# Allegro board FEE5_10_30.brd (continued)
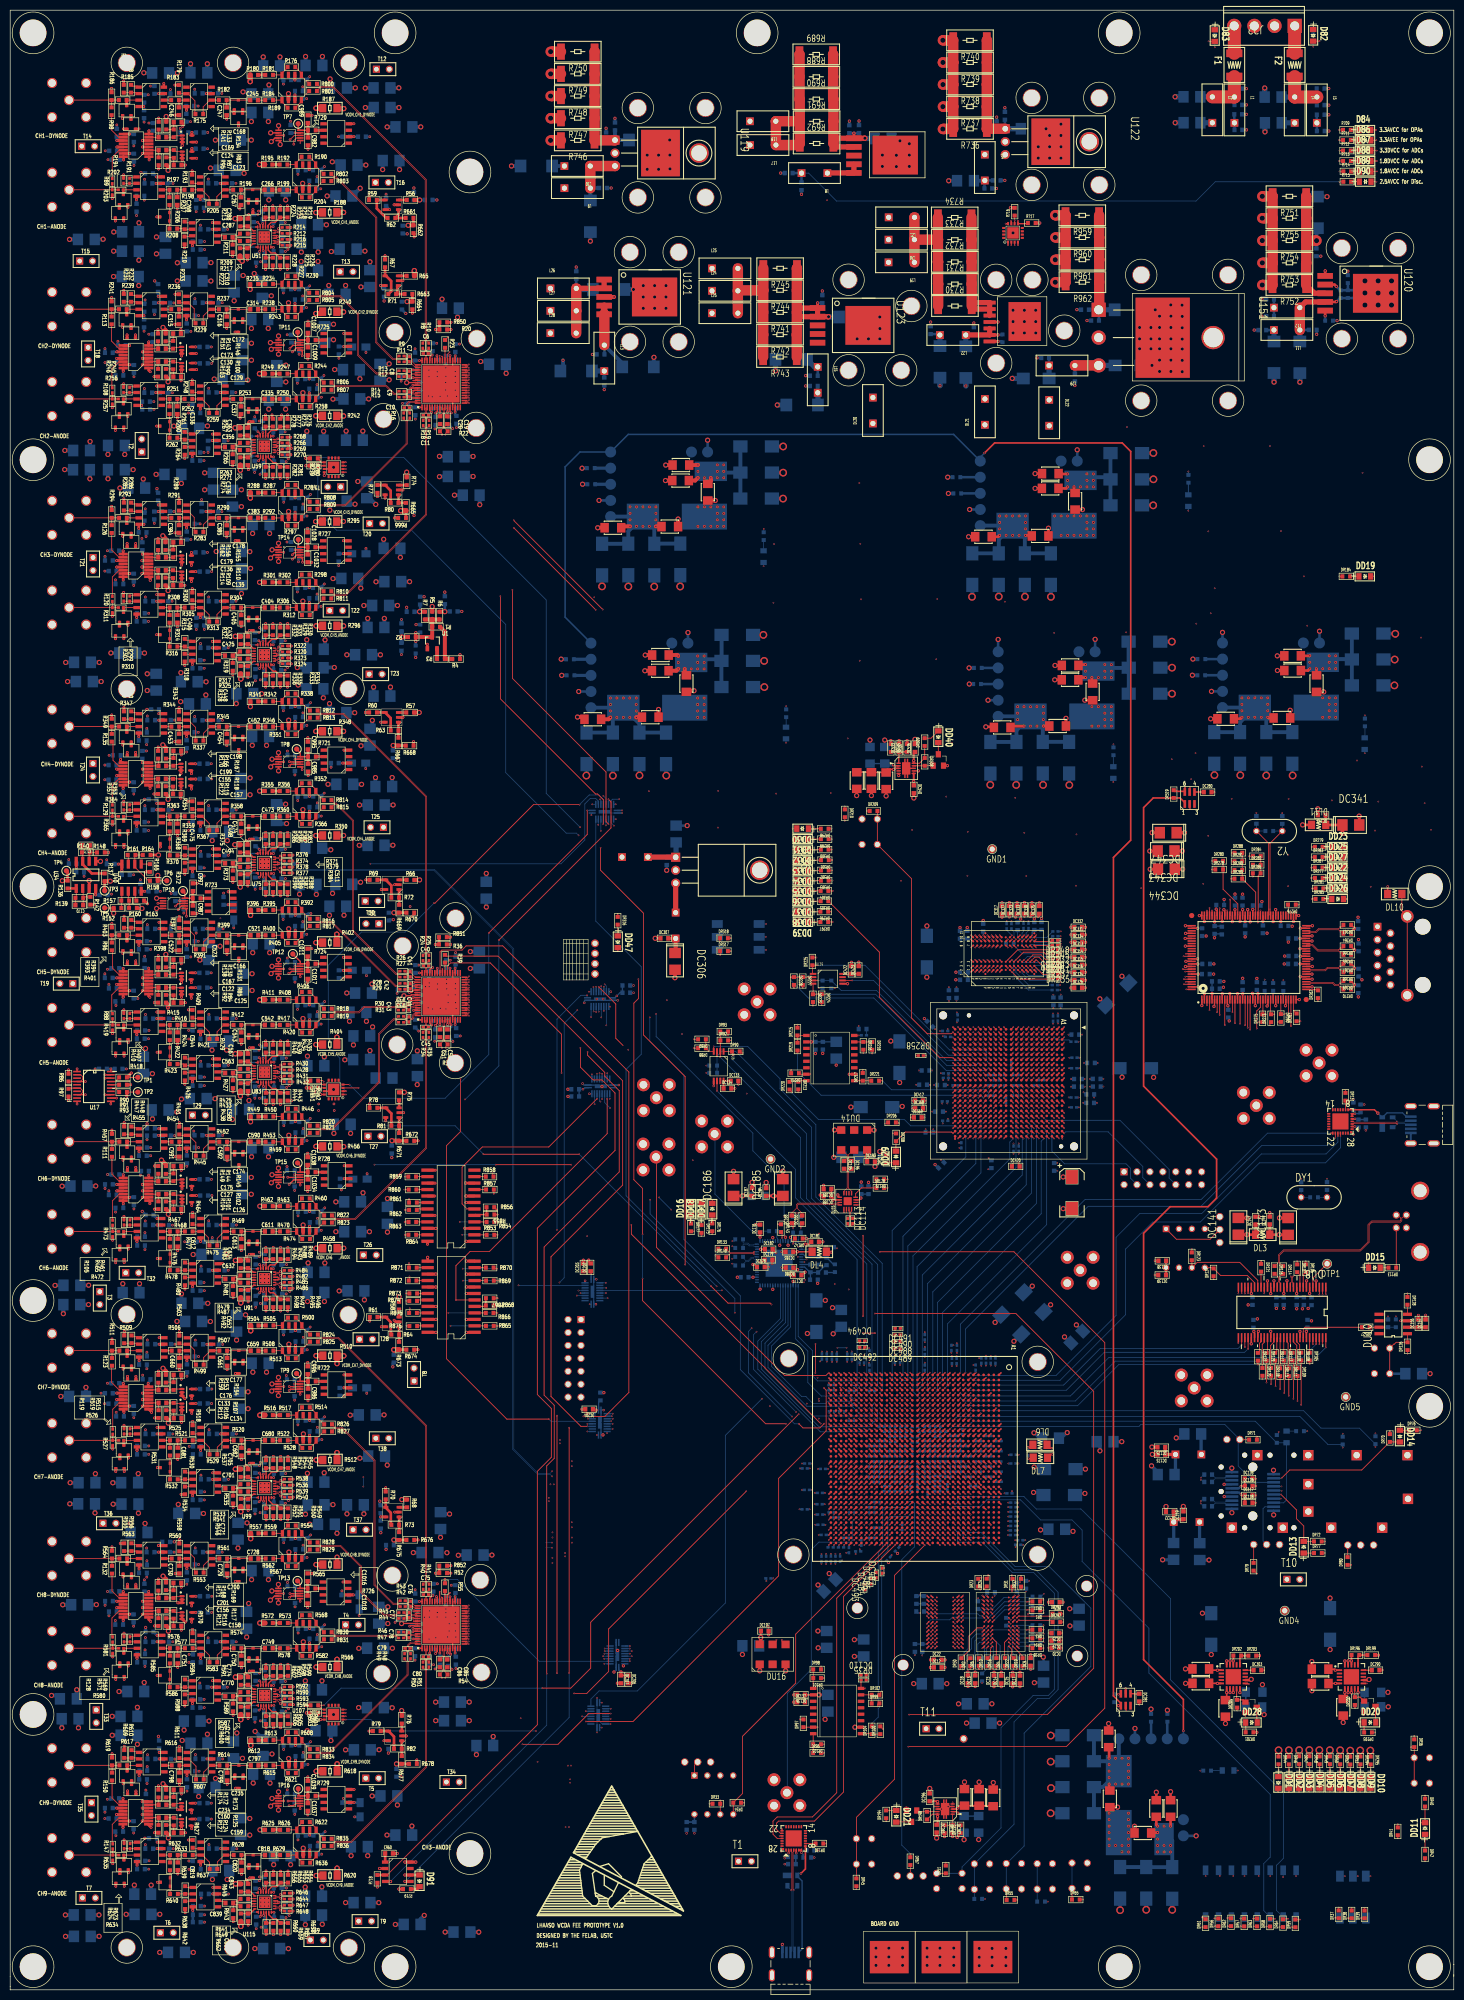
[diagram p0: board, top side]
## Routing (per net, layer and track width the routed paths; a pad name or vN(x,y) marks a point on that pad's centre or on a via; arc(x,y) is an arc through that point) (continued)
  TOP w0.254: U131.1 28.86,214.34 28.85,214.33 v5(28.76,214.33)
  TOP w0.508: v5(15.51,217.79) 15.52,217.79 U34.3 ; U34.5 17.43,221.6 17.44,221.59 v5(17.74,221.59)
  S5 w0.762: v5(28.76,214.33) 18.98,214.33 v5(15.51,217.79) 17.74,220.02 v5(17.74,221.59)
CALIB_VREF_DYNODE: length 19.3
  TOP w0.254: U131.5 v5(28.76,212.34)
  TOP w0.508: v5(25.89,212.34) 24.98,212.34 R160.1 ; R164.2 v5(29.14,222.84)
  S1 w0.762: v5(28.76,212.34) 29.58,212.34 30.73,213.48 30.73,221.32 29.2,222.84 v5(29.14,222.84)
  S5 w0.762: v5(28.76,212.34) v5(25.89,212.34)
CALIBPULSE_ANODE_CH1: length 10.8
  TOP w0.152: R203.1 R89.2 ; R203.1 11.59,353.46 J5.1 ; R203.1 21.21,353.46 R202.1
CALIBPULSE_ANODE_CH2: length 10.8
  TOP w0.152: R257.1 20.05,313.57 R108.2 ; R257.1 21.22,312.39 R256.1 ; R257.1 11.59,312.39 J7.1
CALIBPULSE_ANODE_CH3: length 10.9
  TOP w0.152: R310.1 21.24,271.42 R311.1 ; R311.1 20.07,272.61 R120.2 ; R311.1 11.58,271.42 J9.1
CALIBPULSE_ANODE_CH4: length 10.9
  TOP w0.152: R364.1 21.25,230.44 R365.1 ; R365.1 11.59,230.44 J11.1 ; R365.1 20.08,231.63 R129.2
CALIBPULSE_ANODE_CH5: length 10.9
  TOP w0.152: R88.2 20.1,190.67 R419.1 ; R418.1 21.27,189.47 R419.1 ; J13.1 11.6,189.47 R419.1
CALIBPULSE_ANODE_CH6: length 10.9
  TOP w0.152: R473.1 20.12,150.11 R105.2 ; R473.1 21.29,148.92 R472.1 ; R473.1 11.58,148.92 J15.1
CALIBPULSE_ANODE_CH7: length 10.9
  TOP w0.152: R526.1 21.3,107.9 R527.1 ; J17.1 11.6,107.9 R527.1 ; R527.1 20.14,109.08 R119.2
CALIBPULSE_ANODE_CH8: length 10.9
  TOP w0.152: R581.1 11.58,67.08 J19.1 ; R581.1 21.3,67.08 R580.1 ; R581.1 20.13,68.26 R128.2
CALIBPULSE_ANODE_CH9: length 10.9
  TOP w0.152: R635.1 11.6,26.46 J21.1 ; R635.1 21.31,26.46 R634.1 ; R635.1 20.15,27.65 R147.2
CALIBPULSE_DYNODE_CH1: length 11.3
  TOP w0.152: 19.89,371.1 R186.1 ; R186.1 21.36,371.08 R185.1 ; R186.1 R98.2 ; R186.1 11.58,371.08 J4.1
CALIBPULSE_DYNODE_CH2: length 11.2
  TOP w0.152: R239.1 21.37,330.01 R241.1 ; R241.1 11.6,330.01 J6.1 ; R241.1 R113.2
CALIBPULSE_DYNODE_CH3: length 11.2
  TOP w0.152: J8.1 11.6,289.04 R294.1 ; R294.1 R126.2 ; R294.1 21.39,289.04 R293.1
CALIBPULSE_DYNODE_CH4: length 11.3
  TOP w0.152: R349.1 21.4,248.06 R347.1 ; R349.1 R135.2 ; R349.1 11.58,248.06 J10.1
CALIBPULSE_DYNODE_CH5: length 11.3
  TOP w0.152: R403.1 11.6,207.09 J12.1 ; R403.1 21.42,207.09 R401.1 ; R403.1 R96.2
CALIBPULSE_DYNODE_CH6: length 11.3
  TOP w0.152: R455.1 21.44,166.54 R457.1 ; R111.2 R457.1 ; R457.1 J14.1
CALIBPULSE_DYNODE_CH7: length 11.3
  TOP w0.152: R511.1 21.45,125.51 R509.1 ; R511.1 R123.2 ; R511.1 11.57,125.51 J16.1
CALIBPULSE_DYNODE_CH8: length 11.3
  TOP w0.152: J18.1 11.58,84.69 R564.1 ; R564.1 21.44,84.69 R563.1 ; R564.1 R132.2
CALIBPULSE_DYNODE_CH9: length 11.3
  TOP w0.152: J20.1 11.59,44.08 R619.1 ; R619.1 R150.2 ; R619.1 21.46,44.08 R617.1
CLK125_N: length 5.3
  TOP w0.102: DU15.9 165.28,156.82 164.63,157.46 164.63,160.62 DC196.2
CLK125_P: length 5.3
  TOP w0.102: DU15.12 163.78,156.82 164.42,157.47 164.42,160.62 DC195.2
CLK_125M_N: length 3
  TOP w0.102: DU14.5 165.59,164.91 164.63,163.96 164.63,163.36 DC196.1
CLK_125M_P: length 3
  TOP w0.102: DU14.4 163.46,164.91 164.42,163.96 164.42,163.36 DC195.1
CP: length 7.4
  BOTTOM w0.254: DU13.5 155.8,144.42 156.29,143.93 DR173.1 160.24,143.93 DC171.2 161.72,142.46 DR174.2
CPU_RESET: length 71.6
  TOP w0.152: DR45.1 166.23,21.87 DSW3.1 DSW3.2 166.23,33.86 173.72,41.35 173.72,81.39 v1(179.65,87.32) DU4.T34
CSB_ADC1: length 187.6
  TOP w0.152: v9(84.81,320.76) 84.81,320.76 84.91,320.65 U2.40
  S5 w0.152: v1(117.84,173.17) 116.77,174.24 116.77,175.54 110.49,181.82 110.49,314.13 95.23,329.39 86.77,329.39 84.81,327.42 v9(84.81,320.76)
  BOTTOM w0.152: DU17.14 116.78,174.23 v1(117.84,173.17)
CSB_ADC1_BUF: length 117.1
  TOP w0.152: DU4.W24 v1(175.79,97.32)
  S2 w0.152: v1(116.28,179.88) 116.89,179.26 116.89,174.21 117.3,173.8 117.3,149.77 160.51,106.57 160.95,106.57 161.17,106.34 161.17,105.9 161.46,105.61 175.13,105.61 175.29,105.46 175.29,97.83 v1(175.79,97.32)
  BOTTOM w0.152: DU17.6 v1(116.28,179.88)
CSB_ADC2: length 115.7
  TOP w0.152: v1(88.46,178.9) 88.47,178.89 88.47,168.53 85.7,165.75 85.7,123.93 97.56,112.06 105.81,112.06 v1(105.81,112.06)
  TOP w0.254: U3.40 v9(84.91,200.5)
  S2 w0.152: v9(84.91,200.5) 84.91,194.11 90.79,188.22 90.79,181.24 v1(88.46,178.9)
  BOTTOM w0.152: v1(105.81,112.06) 106.24,111.64 DU20.16
CSB_ADC2_BUF: length 72.7
  TOP w0.152: DU4.Y28 v1(174.79,93.32)
  S5 w0.152: v1(174.79,93.32) 174.24,93.88 174.24,105.44 174.06,105.62 152.67,105.62 148.72,109.56 120.94,109.56 v1(118.36,112.14)
  BOTTOM w0.152: DU20.4 v1(118.36,112.14)
CSB_ADC3: length 40.3
  TOP w0.254: U4.40 84.91,76.93 v9(84.76,77.07)
  S5 w0.152: v1(116.46,65.51) 102.31,65.51 89.41,78.41 85.33,78.41 84.76,77.84 v9(84.76,77.07)
  BOTTOM w0.152: v1(116.46,65.51) 117.84,65.51 DU24.5
CSB_ADC3_BUF: length 67.1
  TOP w0.152: DU4.W31 v1(175.79,90.32)
  S5 w0.152: 175.75,90.32 v1(175.79,90.32) 175.38,89.92 175.38,89.02 175.23,88.86 173.56,88.86 173.33,88.63 173.33,87.27 159.31,73.25 129.65,73.25 122.41,66.01 v1(121.74,66.01)
  BOTTOM w0.152: DU24.15 v1(121.74,66.01)
DIN_DAC1: length 268.9
  TOP w0.152: v1(77.85,130.39) 78.37,130.39 R876.2 ; U128.8 56.97,364.11 55.79,364.11 v3(54.97,363.3)
  S1 w0.152: v3(54.97,363.3) 54.97,362.45 41.05,348.53 41.05,323.62 42.07,322.6 42.07,294.61 42.71,293.98 42.71,287.01 41.84,286.14 41.84,253.44 41.23,252.83 41.23,240.22 42.13,239.31 42.13,230.08 41.3,229.24 v1(41.3,210.41)
  S4 w0.152: v1(41.3,210.41) 41.3,207.52 42.01,206.81 42.01,196.87 40.71,195.56 40.71,178.23 41.14,177.79 41.14,151.75 46.2,146.69 61.56,146.69 v1(77.85,130.39)
DIN_DAC2: length 216.9
  TOP w0.152: v1(78.48,133.83) 78.48,133.02 R875.2
  TOP w0.254: v3(54.94,322.31) 55.54,322.91 56.94,322.91 56.99,322.96 U136.8
  S5 w0.152: v3(54.94,322.31) 58.5,322.31 62.2,318.61 62.2,311.09 80.41,292.88 80.41,272.39 81.96,270.84 83.7,270.84 84.28,271.42 86.21,271.42 90.07,267.55 90.07,207.62 89.65,207.2 89.65,190.7 90.07,190.28 90.07,181.18 81.08,172.18 81.08,136.46 78.48,133.86 v1(78.48,133.83)
DIN_DAC3: length 190
  TOP w0.152: v1(77.81,135.3) 78.37,135.3 R874.2
  TOP w0.254: U142.8 56.95,282.23 55.85,282.23 55.42,281.8 v3(55.42,281.78)
  S4 w0.152: v1(77.81,135.3) 79.33,135.3 87.29,143.26 87.29,161.81 90.58,165.1 90.58,187.36 89.53,188.4 89.53,207.42 91.12,209.02 91.12,234.82 67.32,258.62 48.78,258.62 45.53,261.87 45.53,266.62 54.13,275.22 54.13,280.48 v3(55.42,281.78)
DIN_DAC4: length 133.1
  TOP w0.152: R873.2 77.75,136.74 v1(77.74,136.75)
  TOP w0.254: U129.8 56.95,241.11 54.9,241.11 54.87,241.14 54.85,241.14 v3(54.82,241.17)
  S4 w0.152: v1(77.74,136.75) 84.2,143.21 84.2,181.9 74.68,191.42 74.68,197.79 82.08,205.18 82.08,222.14 63.05,241.16 54.83,241.16 v3(54.82,241.17)
DIN_DAC5: length 74.8
  TOP w0.152: R872.2 78.44,139.42 v1(78.44,140.08)
  TOP w0.254: U137.8 56.93,200.43 55.76,200.43 54.98,200.44 v3(54.93,200.48)
  S4 w0.152: v1(78.44,140.08) 78.92,140.57 78.92,177.87 68.33,188.46 66.12,188.46 55.46,199.11 55.46,199.95 v3(54.93,200.48)
DIN_DAC6: length 34.2
  TOP w0.152: R871.2 v1(78.34,142.7)
  TOP w0.254: v3(54.52,159.56) 54.56,159.52 56.94,159.52 U143.8
  S1 w0.152: v3(54.52,159.56) 61.48,159.56 v1(78.34,142.7)
DIN_DAC7: length 54
  TOP w0.152: v1(95.62,141.61) 95.17,141.61 R870.1
  TOP w0.254: v3(54.83,118.46) 54.86,118.43 56.93,118.43 U130.8
  S4 w0.152: v3(54.83,118.46) 54.83,118.63 59.89,123.7 72.1,123.7 79.23,130.83 79.23,131.93 v1(88.9,141.61)
  BOTTOM w0.152: v1(88.9,141.61) v1(95.62,141.61)
DIN_DAC8: length 86.4
  TOP w0.152: R869.1 v1(95.81,139.26)
  TOP w0.254: v3(54.95,77.81) 54.96,77.79 55.73,77.79 56.17,77.79 56.17,77.79 56.94,77.79 U138.8
  S2 w0.152: v3(54.95,77.81) 56.57,77.81 62.72,83.96 62.72,92.18 69.36,98.82 v1(69.38,98.82) ; v1(88.94,139.26) 88.94,132.06 88.76,131.87 88.76,131.43 88.94,131.24 88.94,120.23 v1(69.38,100.67)
  BOTTOM w0.152: v1(69.38,100.67) v1(69.38,98.82) ; v1(95.81,139.26) v1(88.94,139.26)
DIN_DAC9: length 126.8
  TOP w0.152: R866.1 v1(95.72,132.92)
  TOP w0.254: v3(54.58,37.07) 56.95,37.07 U144.8
  S4 w0.152: v3(54.58,37.07) 56.77,39.26 56.77,64.21 54.32,66.66 54.32,78.33 53.6,79.05 53.6,82.31 52.3,83.61 52.3,101.5 83.72,132.92 86.08,132.92 v1(86.08,132.92)
  BOTTOM w0.152: v1(95.72,132.92) v1(86.08,132.92)
DIN_DAC_BUF: length 58.7
  TOP w0.152: U149.6 87.57,135.46 v1(87.56,135.47) 87.56,142.2 90.34,144.98 94.13,144.98 117.27,168.12 v1(117.27,174.97)
  BOTTOM w0.152: DU17.13 117.28,174.98 v1(117.27,174.97)
DIN_DAC_BUF_A7_FPGA: length 0.6
  TOP w0.152: DU4.W25 v1(175.79,96.32)
DIN_DAC_CALIB: length 121.2
  TOP w0.152: R865.1 v1(95.76,130.37)
  TOP w0.254: v3(32.48,212.8) 32.98,213.3 34.26,213.3 U131.8
  S1 w0.152: v3(32.48,212.8) 32.48,209.82 32.99,209.3 32.99,192.82 47.31,178.5 47.31,177.76 50.95,174.12 50.95,173.42 61.07,163.3 68.45,163.3 85.29,146.47 85.29,131.59 v1(86.49,130.38)
  BOTTOM w0.152: v1(86.49,130.38) 86.5,130.37 v1(95.76,130.37)
DMINUS: length 33
  TOP w0.102: DR116.1 248.48,142.12 249.1,142.74 249.1,144.27 250.13,145.3 265.16,145.3 266.73,146.87 266.73,150.25 267.44,150.96 273.05,150.96 273.16,151.08 273.16,151.55 272.59,152.13 DJ8.2
DPLUS: length 33
  TOP w0.102: DR114.1 249.93,142.11 249.32,142.72 249.32,144.18 250.22,145.08 265.25,145.08 266.94,146.78 266.94,150.16 267.53,150.75 273.14,150.75 273.38,150.99 273.38,151.56 273.95,152.13 DJ8.3
GMII_MDC: length 60.9
  TOP w0.152: DU4.T5 v1(179.65,117.19) ; v1(197.06,169.18) DU37.L20
  S2 w0.152: v1(197.06,169.18) 197.59,168.64 197.59,150.45 180.15,133 180.15,117.68 v1(179.65,117.19)
GMII_MDIO_I: length 58
  TOP w0.152: v1(200.06,167.18) DU37.H22 ; DU4.R3 v1(180.65,119.19)
  S5 w0.152: v1(180.65,119.19) 181.08,119.61 182.03,119.61 182.18,119.76 182.18,129.7 200.32,147.83 200.32,166.92 v1(200.06,167.18)
GMII_MDIO_O: length 63.6
  TOP w0.152: DU4.T4 v1(179.65,118.19) ; v1(200.06,171.18) DU37.H18
  S4 w0.152: v1(179.65,118.19) 179.2,118.64 179.2,134.99 198.56,154.35 198.56,170.57 198.76,170.77 199.66,170.77 v1(200.06,171.18)
GMII_MDIO_T: length 60.6
  TOP w0.152: v1(200.06,168.18) DU37.H21 ; DU4.R5 v1(180.65,117.19)
  BOTTOM w0.152: v1(200.06,168.18) 199.59,167.71 199.59,158.07 180.2,138.67 180.2,117.64 v1(180.65,117.19)
GMII_RX_CLK: length 58
  TOP w0.152: v1(198.06,168.18) DU37.K21 ; DU4.N4 v1(182.65,118.19)
  S2 w0.152: v1(198.06,168.18) 198.5,167.73 198.5,148.47 183.2,133.17 183.2,118.74 v1(182.65,118.19)
GMII_RX_COL: length 60.9
  TOP w0.152: v1(197.06,167.18) DU37.L22 ; DU4.U6 v1(178.65,116.19)
  BOTTOM w0.152: v1(178.65,116.19) 177.34,117.5 177.34,144.11 196.37,163.14 196.37,166.48 v1(197.06,167.18)
GMII_RX_CRS: length 63
  TOP w0.152: v1(201.06,169.18) DU37.G20 ; DU4.P6 v1(181.65,116.19)
  S4 w0.152: v1(181.65,116.19) 181.12,116.72 181.12,130.1 201.44,150.43 201.44,168.79 v1(201.06,169.18)
GMII_RX_DV: length 64.3
  TOP w0.152: DU4.U7 v1(178.65,115.19) ; v1(197.06,170.18) DU37.L19
  S5 w0.152: 196.97,170.18 v1(197.06,170.18) 196.62,169.74 196.62,152.93 178.16,134.46 178.16,115.68 v1(178.65,115.19)
GMII_RX_ER: length 60.2
  TOP w0.152: DU4.N6 v1(182.65,116.19) ; v1(201.06,167.18) DU37.G22
  S5 w0.152: v1(182.65,116.19) 183.2,116.73 183.2,128.42 201.47,146.69 201.47,166.77 v1(201.06,167.18)
GMII_RXD0: length 60.2
  TOP w0.152: DU4.R2 v1(180.65,120.19) ; v1(198.06,170.18) DU37.K19
  S5 w0.152: v1(198.06,170.18) 198.46,169.78 199.41,169.78 199.56,169.62 199.56,148.99 181.19,130.62 181.19,120.72 v1(180.65,120.19)
GMII_RXD1: length 63.3
  TOP w0.152: DU4.U2 v1(178.65,120.19) ; DU37.K16 v1(198.06,173.18)
  S4 w0.152: v1(198.06,173.18) 197.6,172.72 196.74,172.72 196.52,172.5 196.52,156.52 178.04,138.04 178.04,120.8 v1(178.65,120.19)
GMII_RXD2: length 59.2
  TOP w0.152: DU4.U1 v1(178.65,121.19) ; v1(198.06,171.18) DU37.K18
  S4 w0.152: v1(198.06,171.18) 197.58,170.69 197.58,155.42 178.65,136.5 v1(178.65,121.19)
GMII_RXD3: length 59.3
  TOP w0.152: DU4.T3 v1(179.65,119.19) ; v1(198.06,169.18) DU37.K20
  S5 w0.152: v1(198.06,169.18) 198.59,168.64 198.59,150.33 180.2,131.95 180.2,119.74 v1(179.65,119.19)
GMII_RXD4: length 61.2
  TOP w0.152: DU37.K17 v1(198.06,172.18) ; DU4.T2 v1(179.65,120.19)
  S5 w0.152: v1(179.65,120.19) 179.19,120.65 179.19,133.24 197.59,151.64 197.59,171.7 v1(198.06,172.18)
GMII_RXD5: length 64.7
  TOP w0.152: v1(197.06,172.18) DU37.L17 ; DU4.U5 v1(178.65,117.19)
  BOTTOM w0.152: v1(178.65,117.19) 178.15,117.69 178.15,142 197.58,161.43 197.58,171.65 v1(197.06,172.18)
GMII_RXD6: length 58.7
  TOP w0.152: v1(199.06,167.18) DU37.J22 ; DU4.U4 v1(178.65,118.19)
  BOTTOM w0.152: v1(199.06,167.18) 198.81,166.93 198.81,160 179.18,140.37 179.18,118.71 v1(178.65,118.19)
GMII_RXD7: length 63.3
  TOP w0.152: DU4.M6 v1(183.65,116.19) ; v1(202.06,170.18) DU37.F19
  S5 w0.152: v1(183.65,116.19) 184.15,116.68 184.15,126.81 202.67,145.33 202.67,169.56 v1(202.06,170.18)
GMII_TX_CLK: length 62.7
  TOP w0.152: DU4.P5 v1(181.65,117.19) ; v1(201.06,170.18) DU37.G19
  BOTTOM w0.152: v1(181.65,117.19) 182.16,117.69 182.16,134.99 201.6,154.42 201.6,169.64 v1(201.06,170.18)
GMII_TX_EN: length 57.1
  TOP w0.152: DU4.M1 v1(183.65,121.19) ; v1(204.06,168.18) DU37.D21
  S3 w0.152: v1(204.06,168.18) 204.57,167.66 204.57,156.95 183.65,136.03 v1(183.65,121.19)
GMII_TX_ER: length 59
  TOP w0.152: v1(202.06,169.18) DU37.F20 ; DU4.N1 v1(182.65,121.19)
  S4 w0.152: v1(182.65,121.19) 182.65,127.21 203.54,148.1 203.54,168.52 203.34,168.72 202.51,168.72 v1(202.06,169.18)
GMII_TXD0: length 61.1
  TOP w0.152: DU4.M5 v1(183.65,117.19) ; v1(205.06,167.18) DU37.C22
  S4 w0.152: v1(183.65,117.19) 184.07,117.6 185.9,117.6 186.11,117.82 186.11,121.39 205.06,140.34 v1(205.06,167.18)
GMII_TXD1: length 60.7
  TOP w0.152: DU4.M4 v1(183.65,118.19) ; v1(203.06,169.18) DU37.E20
  BOTTOM w0.152: v1(203.06,169.18) 203.61,168.63 203.61,150.25 184.14,130.78 184.14,118.67 v1(183.65,118.19)
GMII_TXD2: length 57.7
  TOP w0.152: DU4.R1 v1(180.65,121.19) ; v1(200.06,169.18) DU37.H20
  S4 w0.152: v1(200.06,169.18) 200.55,168.69 200.55,151.9 180.65,132.01 v1(180.65,121.19)
GMII_TXD3: length 57
  TOP w0.152: DU4.P1 v1(181.65,121.19) ; v1(202.06,168.18) DU37.F21
  S4 w0.152: v1(181.65,121.19) 181.65,128.49 202.5,149.33 202.5,167.73 v1(202.06,168.18)
GMII_TXD4: length 57.7
  TOP w0.152: v1(203.06,167.18) DU37.E22 ; DU4.N3 v1(182.65,119.19)
  BOTTOM w0.152: v1(182.65,119.19) 183.11,119.65 183.11,132.97 202.54,152.39 202.54,166.65 v1(203.06,167.18)
GMII_TXD5: length 57.1
  TOP w0.152: DU4.N2 v1(182.65,120.19) ; v1(204.06,167.18) DU37.D22
  S4 w0.152: v1(204.06,167.18) 204.06,146.54 183.17,125.65 183.17,120.7 v1(182.65,120.19)
GMII_TXD6: length 60.6
  TOP w0.152: DU37.F22 v1(202.06,167.18) ; DU4.P4 v1(181.65,118.19)
  S2 w0.152: v1(202.06,167.18) 202.06,149.63 184.17,131.74 184.17,117.93 183.98,117.74 182.09,117.74 v1(181.65,118.19)
GMII_TXD7: length 60.7
  TOP w0.152: DU4.P3 v1(181.65,119.19) ; v1(200.06,170.18) DU37.H19
  BOTTOM w0.152: v1(181.65,119.19) 181.39,119.45 181.39,119.45 181.24,119.6 181.24,137.06 200.64,156.46 200.64,169.59 v1(200.06,170.18)
H_ALARM: length 192.3
  TOP w0.152: v1(107.41,62.15) v1(107.41,112.75)
  TOP w0.508: D91.1 80.41,22.55 U126.6 v8(77.54,22.55)
  S5 w0.152: v1(107.41,62.15) 107.41,51.35 78.61,22.55 v8(77.54,22.55) ; v1(107.41,112.75) v1(107.41,149.23)
  BOTTOM w0.152: DU44.11 113.31,194.89 v1(113.31,195.28) 112.09,195.28 107.41,190.61 v1(107.41,149.23)
H_ALARM_BUF: length 105.2
  S2 w0.152: v1(166.79,120.19) 167.2,119.78 167.2,118.99 166.85,118.64 160.16,118.64 v1(158.6,120.2)
  S3 w0.152: v1(114.11,191.01) 114.11,190.95 121.02,184.05 121.02,159.83 v1(125.7,155.14)
  S4 w0.152: v1(142.36,132.97) 142.36,131.19 153.34,120.2 v1(158.6,120.2)
  BOTTOM w0.152: DU44.9 v1(114.11,191.01) ; v1(125.7,155.14) 125.7,152.37 142.36,135.71 v1(142.36,132.97)
H_MISO: length 201.3
  TOP w0.152: v1(109.81,62.24) v1(109.81,110.39)
  TOP w0.508: v8(77.54,21.29) 77.7,21.29 77.72,21.28 U126.5
  S2 w0.152: v1(107.9,138.89) 107.9,137.92 113.6,132.22 113.6,115.22 113.27,114.88 112.16,114.88 109.81,112.53 v1(109.81,110.39) ; v1(111.41,192.36) 111.41,195.23 112.62,196.44 116.1,196.44 v1(116.61,196.96)
  BOTTOM w0.152: DU44.17 116.61,196 v1(116.61,196.96) ; v1(109.81,62.24) 109.81,53.47 77.63,21.29 v8(77.54,21.29) ; v1(111.41,192.36) 108.83,189.78 108.83,139.82 v1(107.9,138.89)
H_MISO_BUF: length 102.3
  TOP w0.152: DU4.AG2 v1(167.79,120.19)
  S4 w0.152: v1(167.79,120.19) 167.34,120.64 167.34,128.31 163.43,132.22 153.42,132.22 148.53,137.11 148.53,138.58 131.76,155.36 131.76,178.04 120.41,189.39 v1(117.11,189.39)
  BOTTOM w0.152: v1(117.11,189.39) 117.11,189.39 DU44.3
H_SCLK: length 214.9
  TOP w0.152: v1(113.43,184.16) 113.43,183.51 116.8,180.14 116.8,179.4 119.64,176.56 119.64,160.61 104.88,145.85 104.88,116.77 106.87,114.78 106.87,104.37 105.4,102.89 v1(105.4,62.07) ; 120.39,185.42 118.96,186.85 118.96,193.58 v1(115.6,196.95)
  TOP w0.508: U126.4 74.63,21.28 74.64,21.27 v8(74.73,21.27)
  S3 w0.152: v1(115.6,196.95) 115.6,195.93 113.43,193.75 v1(113.43,184.16)
  BOTTOM w0.152: v1(105.4,62.07) 105.4,51.97 74.73,21.3 v8(74.73,21.27) ; DU44.15 115.6,196.01 v1(115.6,196.95)
H_SCLK_BUF: length 105.7
  TOP w0.152: DU4.AF3 v1(168.79,119.19)
  S2 w0.152: v1(168.79,119.19) 168.8,119.19 169.23,119.61 169.23,131.35 v1(161.98,138.6)
  S4 w0.152: v1(161.98,138.6) 161.98,146.34 145.43,162.89 v1(134.08,162.89)
  S5 w0.152: v1(116.11,190.95) 116.89,190.16 120.92,190.16 132.99,178.09 132.99,163.98 v1(134.08,162.89)
  BOTTOM w0.152: DU44.5 v1(116.11,190.95)
H_SS: length 203.4
  TOP w0.152: U126.3 74.05,22.55 103.55,52.05 103.55,101.81 106.3,104.56 106.3,114.15 103.55,116.9 103.55,149.56 118.81,164.82 118.81,176.1 116.25,178.67 114.53,178.67 112.01,181.18 v1(112.01,184.95)
  TOP w0.508: R718.2 72.14,22.55 U126.3
  S5 w0.152: v1(112.01,184.95) 112.02,184.96 112.02,195.12 113.82,196.92 v1(114.57,196.92)
  BOTTOM w0.152: v1(114.57,196.92) 114.57,196.03 DU44.13
H_SS_BUF: length 104
  TOP w0.152: DU4.AF2 v1(168.79,120.19)
  S1 w0.152: v1(115.11,192.01) 115.11,189.07 121.65,182.53 121.65,171.42 134.82,158.24 139.53,158.24 144.86,152.91 144.86,135.57 160.86,119.57 163.63,119.57 163.63,119.57 164.95,119.57 164.95,119.57 167.95,119.57 167.97,119.55 168.15,119.55 v1(168.79,120.19)
  BOTTOM w0.152: DU44.7 v1(115.11,192.01)
HIGH_THRESHOLD_CH1: length 28.2
  TOP w0.254: v5(53.04,362.35) 53.04,362.89 52.79,363.14 U128.5
  TOP w1.016: R222.2 45.14,339.88 v5(45.58,339.45)
  S5 w1.016: v5(53.04,362.35) 53.04,356.29 45.55,348.8 45.55,339.47 v5(45.58,339.45)
HIGH_THRESHOLD_CH2: length 29.7
  TOP w0.254: v5(52.71,321.18) 52.71,321.24 52.72,321.25 U136.5
  TOP w1.016: R274.2 v5(45.22,298.38)
  S5 w1.016: v5(45.22,298.38) 45.22,304.49 47.77,307.05 50.06,307.05 51.19,307.05 52.35,308.2 52.35,320.81 v5(52.71,321.18)
HIGH_THRESHOLD_CH3: length 28
  TOP w0.254: U142.5 52.72,281.27 v5(52.72,280.48)
  TOP w1.016: v5(45.32,257.41) 45.27,257.45 R328.2
  S5 w1.016: v5(45.32,257.41) 45.32,263.33 47.91,265.93 47.91,270.01 52.72,274.81 v5(52.72,280.48)
HIGH_THRESHOLD_CH4: length 27.8
  TOP w0.254: U129.5 v5(52.71,239.36)
  TOP w0.762: R384.2 45.24,216.55 v5(45.2,216.52)
  S5 w1.016: v5(45.2,216.52) 45.2,222.5 47.95,225.25 47.95,230.07 52.71,234.82 v5(52.71,239.36)
HIGH_THRESHOLD_CH5: length 28.1
  TOP w0.254: U137.5 v5(52.71,198.69)
  TOP w1.016: R438.2 45.23,176.46 v5(45.23,175.48)
  S5 w1.016: v5(45.23,175.48) 45.23,181.25 47.94,183.96 47.94,186.58 52.71,191.36 v5(52.71,198.69)
HIGH_THRESHOLD_CH6: length 27.8
  TOP w0.254: U143.5 52.7,157.81 52.7,157.81 v5(52.7,157.77)
  TOP w1.016: v5(45.29,134.89) 45.3,134.89 R492.2
  S5 w1.016: v5(52.7,157.77) 52.7,150.34 48.04,145.68 48.04,143.63 45.29,140.89 v5(45.29,134.89)
HIGH_THRESHOLD_CH7: length 27.7
  TOP w0.254: U130.5 52.7,116.71 52.69,116.71 v5(52.69,116.68)
  TOP w1.016: v5(45.29,93.89) 45.3,93.9 R546.2
  S5 w1.016: v5(45.29,93.89) 45.29,100.06 48,102.77 48,104.6 52.69,109.29 v5(52.69,116.68)
HIGH_THRESHOLD_CH8: length 27.9
  TOP w0.254: U138.5 52.69,75.98 v5(52.7,75.98)
  TOP w1.016: R600.2 45.29,53.06 v5(45.3,53.05)
  S5 w1.016: v5(45.3,53.05) 45.3,58.71 47.93,61.35 47.93,63.9 52.7,68.66 v5(52.7,75.98)
HIGH_THRESHOLD_CH9: length 27.7
  TOP w0.254: v5(52.7,35.31) 52.7,35.47 52.7,35.47 U144.5
  TOP w1.016: R652.2 45.32,12.45 v5(45.31,12.44)
  S5 w1.016: v5(45.31,12.44) 45.31,18.16 48,20.86 48,23.41 52.7,28.11 v5(52.7,35.31)
HWSPN: length 4.3
  TOP w0.152: DU37.C3 v1(205.06,187.04)
  BOTTOM w0.152: v1(205.06,187.04) 205.07,187.04 205.58,186.52 208.02,186.52 DR205.2
LD: length 28.9
  TOP w0.152: DD17.2 137.94,154.45 v1(137.94,155.15)
  S4 w0.152: v1(158.86,148.5) 155.97,151.39 141.69,151.39 v1(137.94,155.15)
  BOTTOM w0.152: DR152.2 v1(158.86,148.5)
  BOTTOM w0.254: DR152.2 160,145.54 DC170.2
LEA_H_N1: length 3.6
  TOP w0.254: U51.16 50.23,342.19 50.23,340.19 R228.2 51.6,340.12 R227.1
LEA_H_N2: length 3.6
  TOP w0.254: U59.16 50.25,301.11 50.25,299.13 R282.2 51.61,299.05 R281.1
LEA_H_N3: length 3.6
  TOP w0.254: R335.1 51.63,258.08 R336.2 50.24,258.13 50.24,260.16 U67.16
LEA_H_N4: length 3.6
  TOP w0.254: U75.16 50.26,219.18 50.26,217.15 R390.2 51.64,217.1 R389.1
LEA_H_N5: length 3.6
  TOP w0.254: R443.1 51.66,176.13 R444.2 50.27,176.18 50.27,178.21 U83.16
LEA_H_N6: length 3.6
  TOP w0.254: U91.16 50.29,137.67 50.29,135.63 R498.2 51.68,135.58 R497.1
LEA_H_N7: length 3.6
  TOP w0.254: U99.16 50.32,96.63 50.32,94.61 R552.2 51.69,94.56 R551.1
LEA_H_N8: length 3.6
  TOP w0.254: U107.16 50.31,55.81 50.31,53.79 R606.2 51.69,53.74 R605.1
LEA_H_N9: length 3.6
  TOP w0.254: U115.16 50.32,15.2 50.32,13.17 R660.2 51.7,13.12 R659.1
LEA_H_P1: length 5
  TOP w0.254: U51.17 50.69,341.59 51.22,341.07 52.02,341.07 52.97,340.13 R225.1 54.44,340.13 R226.2
LEA_H_P2: length 4.8
  TOP w0.254: R280.2 54.45,299.06 R279.1 52.98,299.06 52.16,299.88 51.68,299.88 50.71,300.85 U59.17
LEA_H_P3: length 4.8
  TOP w0.254: U67.17 50.72,259.84 51.63,258.93 52.15,258.93 52.99,258.09 R333.1 54.46,258.09 R334.2
LEA_H_P4: length 4.9
  TOP w0.254: R388.2 54.47,217.1 R387.1 53,217.1 52.07,218.03 51.47,218.03 50.73,218.78 U75.17
LEA_H_P5: length 5
  TOP w0.254: U83.17 50.75,177.68 51.45,176.98 52.18,176.98 53.02,176.13 R441.1 54.49,176.13 R442.2
LEA_H_P6: length 4.9
  TOP w0.254: U91.17 50.77,137.18 51.07,136.88 51.75,136.88 53.04,135.59 R495.1 54.52,135.59 R496.2
LEA_H_P7: length 4.9
  TOP w0.254: U99.17 50.79,96.12 51.62,95.29 52.33,95.29 53.06,94.56 R549.1 54.53,94.56 R550.2
LEA_H_P8: length 5
  TOP w0.152: R604.2 54.52,53.74 R603.1
  TOP w0.254: R603.1 53.05,53.74 52.21,54.58 51.49,54.58 50.78,55.29 U107.17
LEA_H_P9: length 4.9
  TOP w0.254: R658.2 54.54,13.13 R657.1 53.07,13.13 52.27,13.92 51.63,13.92 50.8,14.75 U115.17
LEA_L_N1: length 3.3
  TOP w0.254: R223.1 51.59,348.03 R224.2 50.15,346.16 U51.3
LEA_L_N2: length 3.4
  TOP w0.254: U59.3 50.18,305.11 50.18,306.94 R278.2 51.6,306.96 R277.1
LEA_L_N3: length 3.4
  TOP w0.254: R331.1 51.61,265.99 R332.2 50.2,265.97 50.2,264.14 U67.3
LEA_L_N4: length 3.4
  TOP w0.254: U75.3 50.22,223.16 50.22,224.98 R386.2 51.62,225.01 R385.1
LEA_L_N5: length 3.3
  TOP w0.254: U83.3 50.23,182.18 50.23,184.03 R440.2 51.64,184.04 R439.1
LEA_L_N6: length 3.4
  TOP w0.254: R493.1 51.67,143.49 R494.2 50.26,143.47 50.26,141.64 U91.3
LEA_L_N7: length 3.3
  TOP w0.254: R547.1 51.68,102.47 R548.2 50.26,102.45 50.26,100.61 U99.3
LEA_L_N8: length 3.3
  TOP w0.254: R601.1 51.67,61.65 R602.2 50.25,61.64 50.25,59.78 U107.3
LEA_L_N9: length 3.4
  TOP w0.254: R655.1 51.69,21.03 R656.2 50.28,21.01 50.28,19.18 U115.3
LEA_L_P1: length 4.8
  TOP w0.254: U51.2 50.64,346.45 51.25,347.06 52.05,347.06 R218.1 54.47,348.04 R219.2
LEA_L_P2: length 4.9
  TOP w0.254: R276.2 54.48,306.97 R275.1 52.28,306.21 51.3,306.21 50.65,305.56 U59.2
LEA_L_P3: length 4.8
  TOP w0.254: R330.2 54.49,266 R329.1 52.23,265.17 51.38,265.17 50.67,264.46 U67.2
LEA_L_P4: length 4.9
  TOP w0.254: U75.2 50.68,223.47 51.29,224.08 52.22,224.08 53.07,224.93 R382.1 53.07,225.02 R383.2
LEA_L_P5: length 4.8
  TOP w0.254: U83.2 50.7,182.47 51.51,183.28 52.33,183.28 R434.1 54.53,184.04 R435.2
LEA_L_P6: length 4.8
  TOP w0.254: R489.2 54.55,143.5 R488.1 51.97,142.35 51.08,142.35 50.72,142 U91.2
LEA_L_P7: length 4.9
  TOP w0.254: R545.2 54.56,102.47 R544.1 52.37,101.71 51.41,101.71 50.74,101.04 U99.2
LEA_L_P8: length 4.9
  TOP w0.254: R599.2 54.55,61.65 R598.1 52.36,60.89 51.44,60.89 50.73,60.18 U107.2
LEA_L_P9: length 4.9
  TOP w0.254: R654.2 54.57,21.04 R653.1 52.38,20.28 51.43,20.28 50.75,19.6 U115.2
LED1_A7_FPGA: length 110.1
  TOP w0.152: DR44.1 249.15,47.02 v4(249.17,47.04) ; DU4.U11 v1(178.65,111.19)
  S3 w0.152: v1(178.65,111.19) 178.65,111.16 179.1,110.72 179.1,103.11 179.41,102.79 197.76,102.79 219.44,81.12 219.44,69.6 242.01,47.04 v4(249.17,47.04)
LED1_S6_FPGA: length 54.3
  TOP w0.152: DU37.AB4 v1(185.2,186.04) ; DR298.1 v1(161.34,228)
  S5 w0.152: v1(185.2,186.04) 182.98,186.04 176.56,192.46 176.56,212.78 v1(161.34,228)
LED2_A7_FPGA: length 115.1
  TOP w0.152: DR46.1 v4(251.19,47.03) ; DU4.U9 v1(178.65,113.19)
  S2 w0.152: v4(251.19,47.03) 249.51,48.71 239.11,48.71 205.48,82.34 205.48,95.37 198.03,102.81 179.31,102.81 179.16,102.97 179.16,112.66 178.65,113.17 v1(178.65,113.19)
